# KiCad board panel.kicad_pcb (continued)
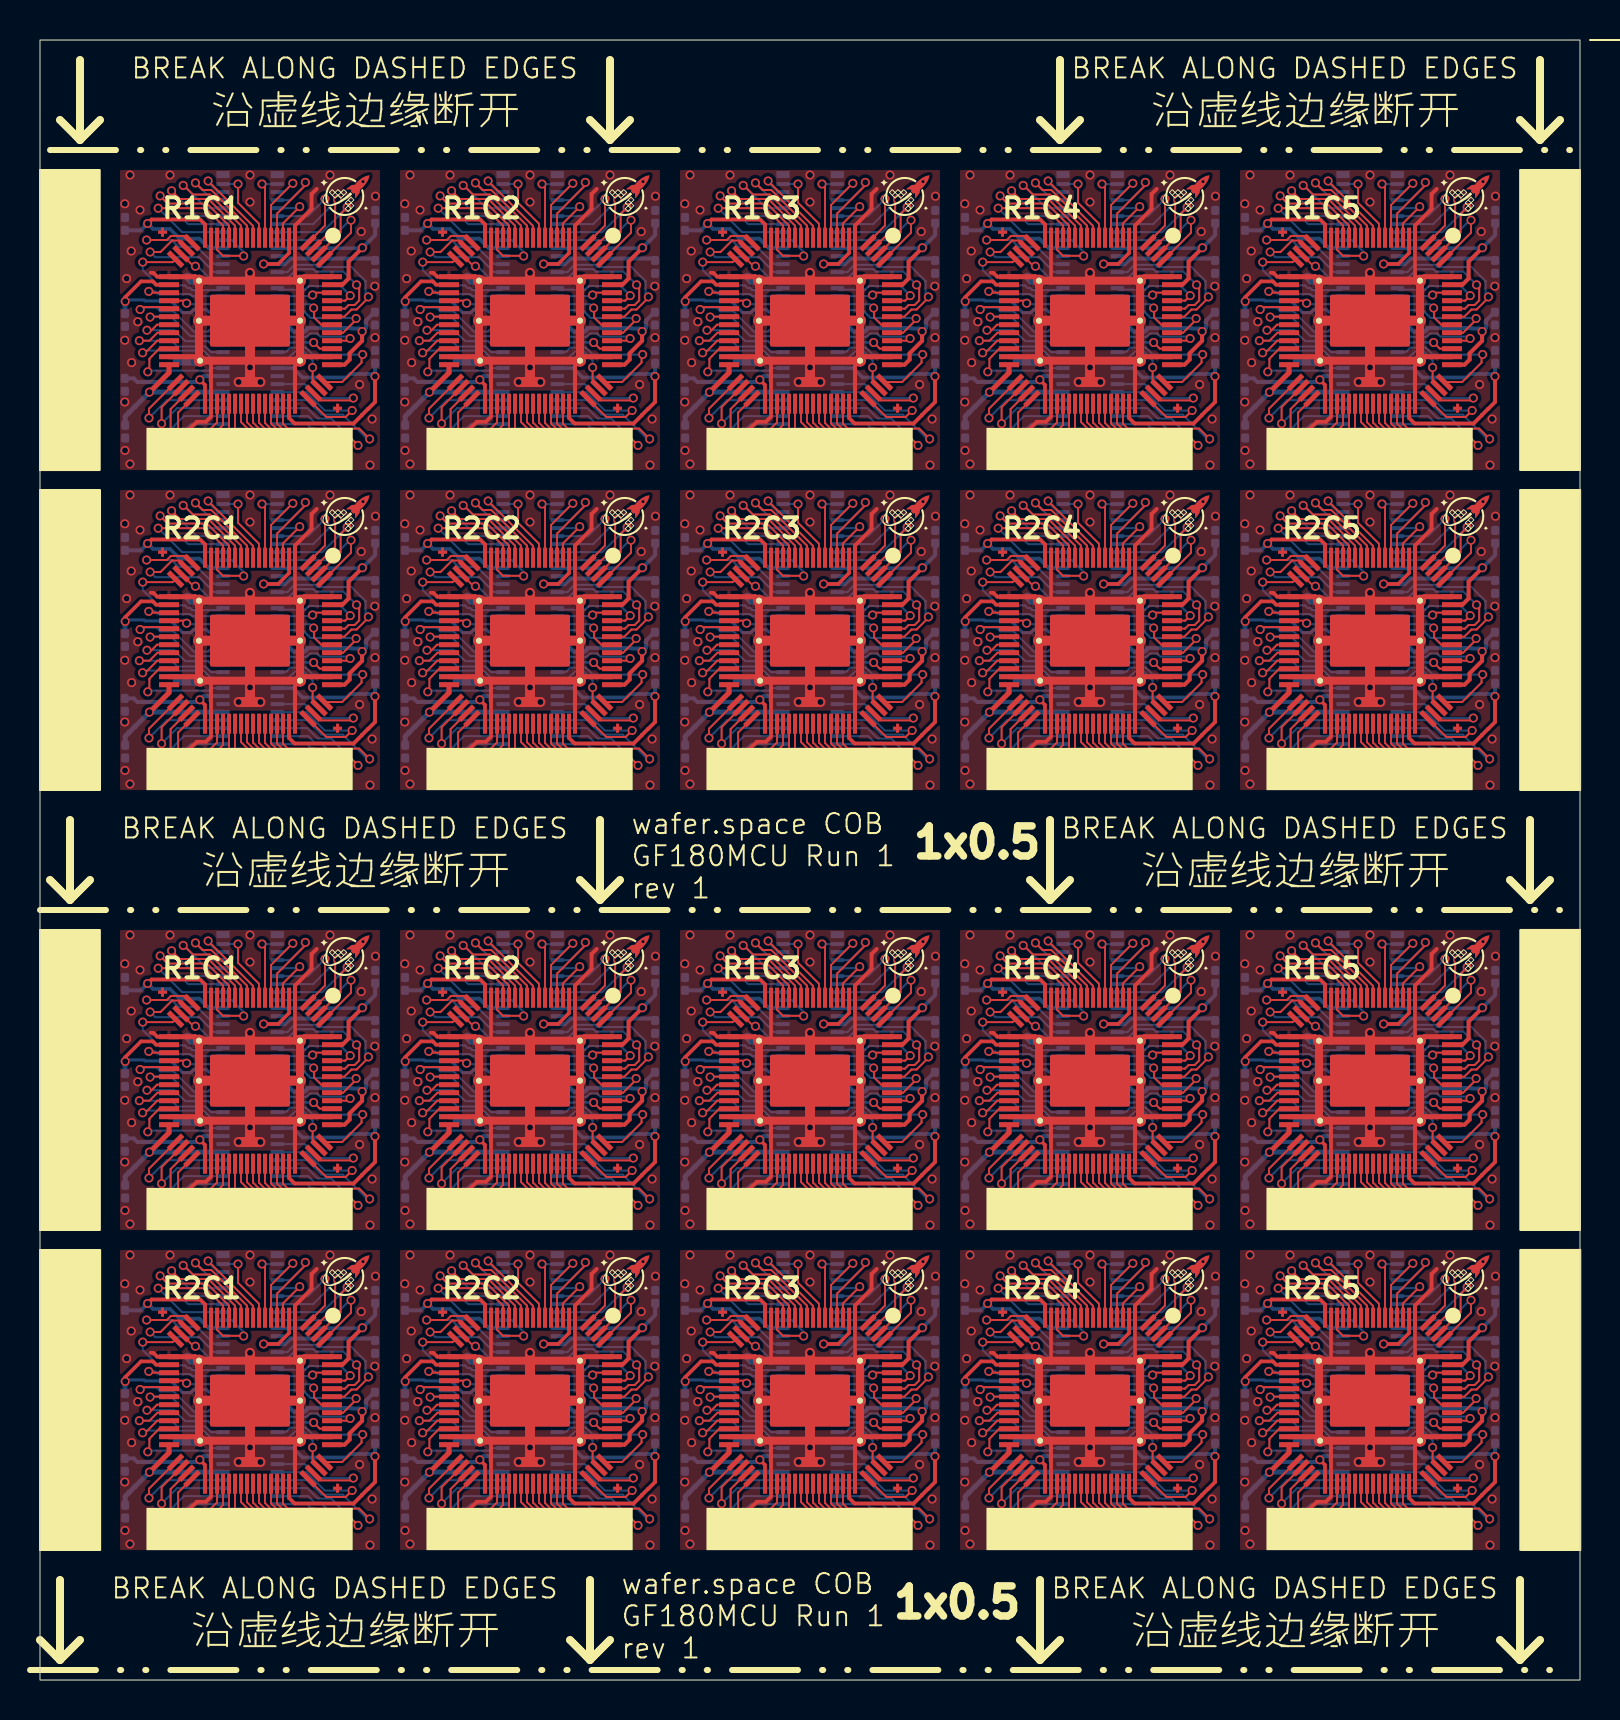
[diagram p0: board, top side]
## Routing (per net, layer and track width the routed paths; a pad name or vN(x,y) marks a point on that pad's centre or on a via; arc(x,y) is an arc through that point) (continued)
/bidir_32: length 78.5
  Top w0.1: v1(8.42,45.21) 9.45,46.24 U112.45 ; v1(64.42,45.21) 65.45,46.24 U120#2.45 ; v1(50.42,61.21) 51.45,62.24 51.45,63.81 ; U106#2.45 37.45,24.24 v1(36.42,23.21) ; v1(8.42,61.21) 9.45,62.24 9.45,63.81 ; v1(22.42,23.21) 23.45,24.24 U104#2.45 ; v1(64.42,7.21) 65.45,8.24 U120.45 ; U108.45 51.45,24.24 v1(50.42,23.21) ; v1(50.42,45.21) 51.45,46.24 U118.45 ; 65.45,63.81 65.45,62.24 v1(64.42,61.21) ; U114#2.45 23.45,8.24 v1(22.42,7.21) ; v1(36.42,7.21) 37.45,8.24 U116#2.45 ; v1(36.42,45.21) 37.45,46.24 U116.45 ; U114.45 23.45,46.24 v1(22.42,45.21) ; v1(64.42,23.21) 65.45,24.24 U110#2.45 ; 37.45,63.81 37.45,62.24 v1(36.42,61.21) ; v1(22.42,61.21) 23.45,62.24 23.45,63.81 ; v1(8.42,23.21) 9.45,24.24 U102.45 ; v1(8.42,7.21) 9.45,8.24 U112#2.45 ; v1(50.42,7.21) 51.45,8.24 U118#2.45
  Bottom w0.1: U101.37 8.8,23.59 v1(8.42,23.21) ; v1(50.42,23.21) 50.8,23.59 U107.37 ; U105#2.37 36.8,61.59 v1(36.42,61.21) ; U115#2.37 36.8,7.59 v1(36.42,7.21) ; v1(36.42,23.21) 36.8,23.59 U105.37 ; v1(22.42,7.21) 22.8,7.59 U113#2.37 ; v1(8.42,7.21) 8.8,7.59 U111#2.37 ; v1(8.42,61.21) 8.8,61.59 U101#2.37 ; U111.37 8.8,45.59 v1(8.42,45.21) ; v1(64.42,23.21) 64.8,23.59 U109#2.37 ; v1(50.42,7.21) 50.8,7.59 U117.37 ; v1(22.42,23.21) 22.8,23.59 U103#2.37 ; v1(64.42,45.21) 64.8,45.59 U119#2.37 ; U115.37 36.8,45.59 v1(36.42,45.21) ; v1(50.42,45.21) 50.8,45.59 U117#2.37 ; U113.37 22.8,45.59 v1(22.42,45.21) ; U103.37 22.8,61.59 v1(22.42,61.21) ; v1(50.42,61.21) 50.8,61.59 U107#2.37 ; U119.37 64.8,7.59 v1(64.42,7.21) ; v1(64.42,61.21) 64.8,61.59 U109.37
/bidir_33: length 65.7
  Top w0.1: v1(23.8,61.2) 23.75,61.25 23.75,63.81 ; v1(37.8,45.2) 37.75,45.25 U116.46 ; v1(65.8,61.2) 65.75,61.25 65.75,63.81 ; U112.46 9.75,45.25 v1(9.8,45.2) ; 51.75,63.81 51.75,61.25 v1(51.8,61.2) ; v1(9.8,23.2) 9.75,23.25 U102.46 ; U114.46 23.75,45.25 v1(23.8,45.2) ; v1(37.8,7.2) 37.75,7.25 U116#2.46 ; v1(23.8,7.2) 23.75,7.25 U114#2.46 ; U112#2.46 9.75,7.25 v1(9.8,7.2) ; 9.75,63.81 9.75,61.25 v1(9.8,61.2) ; v1(37.8,23.2) 37.75,23.25 U106#2.46 ; v1(65.8,7.2) 65.75,7.25 U120.46 ; U108.46 51.75,23.25 v1(51.8,23.2) ; U110#2.46 65.75,23.25 v1(65.8,23.2) ; v1(65.8,45.2) 65.75,45.25 U120#2.46 ; v1(23.8,23.2) 23.75,23.25 U104#2.46 ; v1(51.8,45.2) 51.75,45.25 U118.46 ; v1(51.8,7.2) 51.75,7.25 U118#2.46 ; v1(37.8,61.2) 37.75,61.25 37.75,63.81
  Bottom w0.1: v1(37.8,7.2) 37.79,7.2 U115#2.36 ; 37.15,61.2 37.79,61.2 v1(37.8,61.2) ; v1(23.8,7.2) 23.79,7.2 U113#2.36 ; v1(51.8,45.2) 51.79,45.2 U117#2.36 ; U119#2.36 65.79,45.2 v1(65.8,45.2) ; U115.36 37.79,45.2 v1(37.8,45.2) ; v1(65.8,61.2) 65.79,61.2 65.16,61.2 ; v1(9.8,23.2) 9.79,23.2 U101.36 ; 9.15,61.2 9.79,61.2 v1(9.8,61.2) ; U111.36 9.79,45.2 v1(9.8,45.2) ; U113.36 23.79,45.2 v1(23.8,45.2) ; v1(9.8,7.2) 9.79,7.2 U111#2.36 ; 23.15,61.2 23.79,61.2 v1(23.8,61.2) ; v1(65.8,23.2) 65.79,23.2 U109#2.36 ; U103#2.36 23.79,23.2 v1(23.8,23.2) ; 51.15,61.2 51.79,61.2 v1(51.8,61.2) ; U105.36 37.79,23.2 v1(37.8,23.2) ; U107.36 51.79,23.2 v1(51.8,23.2) ; v1(65.8,7.2) 65.79,7.2 U119.36 ; U117.36 51.79,7.2 v1(51.8,7.2)
/bidir_34: length 75.8
  Top w0.1: 24.05,63.81 24.05,62.9 25.15,61.8 v1(25.15,61.2) ; U112.47 10.05,46.9 11.15,45.8 v1(11.15,45.2) ; 66.05,63.81 66.05,62.9 67.15,61.8 v1(67.15,61.2) ; U120.47 66.05,8.9 67.15,7.8 v1(67.15,7.2) ; U120#2.47 66.05,46.9 67.15,45.8 v1(67.15,45.2) ; U116#2.47 38.05,8.9 39.15,7.8 v1(39.15,7.2) ; v1(39.15,61.2) 39.15,61.8 38.05,62.9 38.05,63.81 ; U114#2.47 24.05,8.9 25.15,7.8 v1(25.15,7.2) ; v1(25.15,23.2) 25.15,23.8 24.05,24.9 U104#2.47 ; U114.47 24.05,46.9 25.15,45.8 v1(25.15,45.2) ; v1(53.15,45.2) 53.15,45.8 52.05,46.9 U118.47 ; U116.47 38.05,46.9 39.15,45.8 v1(39.15,45.2) ; U110#2.47 66.05,24.9 67.15,23.8 v1(67.15,23.2) ; v1(53.15,7.2) 53.15,7.8 52.05,8.9 U118#2.47 ; v1(39.15,23.2) 39.15,23.8 38.05,24.9 U106#2.47 ; 52.05,63.81 52.05,62.9 53.15,61.8 v1(53.15,61.2) ; v1(53.15,23.2) 53.15,23.8 52.05,24.9 U108.47 ; U102.47 10.05,24.9 11.15,23.8 v1(11.15,23.2) ; 10.05,63.81 10.05,62.9 11.15,61.8 v1(11.15,61.2) ; U112#2.47 10.05,8.9 11.15,7.8 v1(11.15,7.2)
  Bottom w0.1: v1(25.15,23.2) 25.86,23.2 U103#2.35 ; U113#2.35 25.86,7.2 v1(25.15,7.2) ; U117#2.35 53.86,45.2 v1(53.15,45.2) ; v1(25.15,45.2) 25.86,45.2 U113.35 ; U119.35 67.86,7.2 v1(67.15,7.2) ; v1(39.15,45.2) 39.86,45.2 U115.35 ; v1(39.15,61.2) 39.86,61.2 39.87,61.2 ; U111#2.35 11.86,7.2 v1(11.15,7.2) ; v1(53.15,7.2) 53.86,7.2 U117.35 ; U107.35 53.86,23.2 v1(53.15,23.2) ; v1(11.15,45.2) 11.86,45.2 U111.35 ; v1(11.15,23.2) 11.86,23.2 U101.35 ; 11.87,61.2 11.86,61.2 v1(11.15,61.2) ; U109#2.35 67.86,23.2 v1(67.15,23.2) ; v1(25.15,61.2) 25.86,61.2 25.87,61.2 ; v1(39.15,23.2) 39.86,23.2 U105.35 ; 67.87,61.2 67.86,61.2 v1(67.15,61.2) ; U119#2.35 67.86,45.2 v1(67.15,45.2) ; U115#2.35 39.86,7.2 v1(39.15,7.2) ; 53.87,61.2 53.86,61.2 v1(53.15,61.2)
/bidir_35: length 100.8
  Top w0.1: U116#2.48 38.35,8.89 40.19,7.05 v1(40.6,7.05) ; 52.35,63.81 52.35,62.89 54.19,61.05 v1(54.6,61.05) ; U112.48 10.35,46.89 12.19,45.05 v1(12.6,45.05) ; v1(40.6,61.05) 40.19,61.05 38.35,62.89 38.35,63.81 ; U110#2.48 66.35,24.89 68.19,23.05 v1(68.6,23.05) ; v1(26.6,45.05) 26.19,45.05 24.35,46.89 U114.48 ; v1(40.6,45.05) 40.19,45.05 38.35,46.89 U116.48 ; U118#2.48 52.35,8.89 54.19,7.05 v1(54.6,7.05) ; U120.48 66.35,8.89 68.19,7.05 v1(68.6,7.05) ; v1(26.6,7.05) 26.19,7.05 24.35,8.89 U114#2.48 ; v1(54.6,23.05) 54.19,23.05 52.35,24.89 U108.48 ; v1(68.6,45.05) 68.19,45.05 66.35,46.89 U120#2.48 ; U118.48 52.35,46.89 54.19,45.05 v1(54.6,45.05) ; 66.35,63.81 66.35,62.89 68.19,61.05 v1(68.6,61.05) ; 24.35,63.81 24.35,62.89 26.19,61.05 v1(26.6,61.05) ; U106#2.48 38.35,24.89 40.19,23.05 v1(40.6,23.05) ; U102.48 10.35,24.89 12.19,23.05 v1(12.6,23.05) ; v1(12.6,7.05) 12.19,7.05 10.35,8.89 U112#2.48 ; U104#2.48 24.35,24.89 26.19,23.05 v1(26.6,23.05) ; v1(12.6,61.05) 12.19,61.05 10.35,62.89 10.35,63.81
  Bottom w0.1: v1(40.6,7.05) 40.6,7.29 40.29,7.59 U115#2.34 ; v1(26.6,7.05) 26.6,7.29 26.29,7.59 U113#2.34 ; v1(54.6,45.05) 54.6,45.29 54.29,45.59 U117#2.34 ; v1(68.6,45.05) 68.6,45.29 68.3,45.59 U119#2.34 ; v1(54.6,61.05) 54.6,61.29 54.29,61.59 U107#2.34 ; v1(12.6,23.05) 12.6,23.29 12.29,23.59 U101.34 ; v1(26.6,61.05) 26.6,61.29 26.29,61.59 U103.34 ; v1(68.6,23.05) 68.6,23.29 68.3,23.59 U109#2.34 ; U105#2.34 40.29,61.59 40.6,61.29 v1(40.6,61.05) ; v1(68.6,7.05) 68.6,7.29 68.3,7.59 U119.34 ; U117.34 54.29,7.59 54.6,7.29 v1(54.6,7.05) ; U111#2.34 12.29,7.59 12.6,7.29 v1(12.6,7.05) ; v1(26.6,23.05) 26.6,23.29 26.29,23.59 U103#2.34 ; v1(12.6,45.05) 12.6,45.29 12.29,45.59 U111.34 ; v1(40.6,45.05) 40.6,45.29 40.29,45.59 U115.34 ; v1(54.6,23.05) 54.6,23.29 54.29,23.59 U107.34 ; U109.34 68.3,61.59 68.6,61.29 v1(68.6,61.05) ; U113.34 26.29,45.59 26.6,45.29 v1(26.6,45.05) ; v1(12.6,61.05) 12.6,61.29 12.29,61.59 U101#2.34 ; v1(40.6,23.05) 40.6,23.29 40.29,23.59 U105.34
/bidir_36: length 130.1
  Top w0.1: U116#2.49 38.65,8.87 40,7.52 41.17,7.52 41.4,7.29 41.4,7.25 41.48,7.17 v1(41.48,7.16) ; v1(41.48,45.16) 41.48,45.17 41.4,45.25 41.4,45.29 41.17,45.52 40,45.52 38.65,46.87 U116.49 ; U114.49 24.65,46.87 26,45.52 27.17,45.52 27.4,45.29 27.4,45.25 27.48,45.17 v1(27.48,45.16) ; v1(13.48,45.16) 13.48,45.17 13.4,45.25 13.4,45.29 13.17,45.52 12,45.52 10.65,46.87 U112.49 ; 52.65,63.81 52.65,62.87 54,61.52 55.17,61.52 55.4,61.29 55.4,61.25 55.48,61.17 v1(55.48,61.16) ; v1(55.48,23.16) 55.48,23.17 55.4,23.25 55.4,23.29 55.17,23.52 54,23.52 52.65,24.87 U108.49 ; 10.65,63.81 10.65,62.87 12,61.52 13.17,61.52 13.4,61.29 13.4,61.25 13.48,61.17 v1(13.48,61.16) ; v1(27.48,7.16) 27.48,7.17 27.4,7.25 27.4,7.29 27.17,7.52 26,7.52 24.65,8.87 U114#2.49 ; U104#2.49 24.65,24.87 26,23.52 27.17,23.52 27.4,23.29 27.4,23.25 27.48,23.17 v1(27.48,23.16) ; U112#2.49 10.65,8.87 12,7.52 13.17,7.52 13.4,7.29 13.4,7.25 13.48,7.17 v1(13.48,7.16) ; v1(41.48,23.16) 41.48,23.17 41.4,23.25 41.4,23.29 41.17,23.52 40,23.52 38.65,24.87 U106#2.49 ; v1(13.48,23.16) 13.48,23.17 13.4,23.25 13.4,23.29 13.17,23.52 12,23.52 10.65,24.87 U102.49 ; U120#2.49 66.65,46.87 68,45.52 69.17,45.52 69.4,45.29 69.4,45.25 69.48,45.17 v1(69.48,45.16) ; v1(27.48,61.16) 27.48,61.17 27.4,61.25 27.4,61.29 27.17,61.52 26,61.52 24.65,62.87 24.65,63.81 ; v1(69.48,23.16) 69.48,23.17 69.4,23.25 69.4,23.29 69.17,23.52 68,23.52 66.65,24.87 U110#2.49 ; v1(69.48,61.16) 69.48,61.17 69.4,61.25 69.4,61.29 69.17,61.52 68,61.52 66.65,62.87 66.65,63.81 ; v1(55.48,7.16) 55.48,7.17 55.4,7.25 55.4,7.29 55.17,7.52 54,7.52 52.65,8.87 U118#2.49 ; 38.65,63.81 38.65,62.87 40,61.52 41.17,61.52 41.4,61.29 41.4,61.25 41.48,61.17 v1(41.48,61.16) ; v1(69.48,7.16) 69.48,7.17 69.4,7.25 69.4,7.29 69.17,7.52 68,7.52 66.65,8.87 U120.49 ; U118.49 52.65,46.87 54,45.52 55.17,45.52 55.4,45.29 55.4,45.25 55.48,45.17 v1(55.48,45.16)
  Bottom w0.1: U111.33 12.7,46 13.4,45.29 13.4,45.25 13.48,45.17 v1(13.48,45.16) ; U119.33 68.7,8 69.4,7.29 69.4,7.25 69.48,7.17 v1(69.48,7.16) ; v1(27.48,7.16) 27.48,7.17 27.4,7.25 27.4,7.29 26.7,8 U113#2.33 ; 67.87,62 68.7,62 69.4,61.29 69.4,61.25 69.48,61.17 v1(69.48,61.16) ; U107.33 54.7,24 55.4,23.29 55.4,23.25 55.48,23.17 v1(55.48,23.16) ; U109#2.33 68.7,24 69.4,23.29 69.4,23.25 69.48,23.17 v1(69.48,23.16) ; U105.33 40.7,24 41.4,23.29 41.4,23.25 41.48,23.17 v1(41.48,23.16) ; v1(27.48,23.16) 27.48,23.17 27.4,23.25 27.4,23.29 26.7,24 U103#2.33 ; v1(55.48,61.16) 55.48,61.17 55.4,61.25 55.4,61.29 54.7,62 53.87,62 ; v1(13.48,7.16) 13.48,7.17 13.4,7.25 13.4,7.29 12.7,8 U111#2.33 ; v1(41.48,61.16) 41.48,61.17 41.4,61.25 41.4,61.29 40.7,62 39.87,62 ; U113.33 26.7,46 27.4,45.29 27.4,45.25 27.48,45.17 v1(27.48,45.16) ; v1(55.48,7.16) 55.48,7.17 55.4,7.25 55.4,7.29 54.7,8 U117.33 ; U119#2.33 68.7,46 69.4,45.29 69.4,45.25 69.48,45.17 v1(69.48,45.16) ; U117#2.33 54.7,46 55.4,45.29 55.4,45.25 55.48,45.17 v1(55.48,45.16) ; v1(41.48,45.16) 41.48,45.17 41.4,45.25 41.4,45.29 40.7,46 U115.33 ; v1(13.48,61.16) 13.48,61.17 13.4,61.25 13.4,61.29 12.7,62 11.87,62 ; v1(13.48,23.16) 13.48,23.17 13.4,23.25 13.4,23.29 12.7,24 U101.33 ; v1(27.48,61.16) 27.48,61.17 27.4,61.25 27.4,61.29 26.7,62 25.87,62 ; v1(41.48,7.16) 41.48,7.17 41.4,7.25 41.4,7.29 40.7,8 U115#2.33
/bidir_37: length 146.2
  Top w0.1: U116#2.50 38.95,8.86 40.09,7.72 41.77,7.72 42.05,7.44 v1(42.05,7.4) ; U116.50 38.95,46.86 40.09,45.72 41.77,45.72 42.05,45.44 v1(42.05,45.4) ; v1(14.05,23.4) 14.05,23.44 13.77,23.72 12.09,23.72 10.95,24.86 U102.50 ; v1(28.05,23.4) 28.05,23.44 27.77,23.72 26.09,23.72 24.95,24.86 U104#2.50 ; v1(28.05,7.4) 28.05,7.44 27.77,7.72 26.09,7.72 24.95,8.86 U114#2.50 ; U110#2.50 66.95,24.86 68.09,23.72 69.77,23.72 70.05,23.44 v1(70.05,23.4) ; v1(56.05,61.4) 56.05,61.44 55.77,61.72 54.09,61.72 52.95,62.86 U108#2.50 ; U112.50 10.95,46.86 12.09,45.72 13.77,45.72 14.05,45.44 v1(14.05,45.4) ; v1(28.05,61.4) 28.05,61.44 27.77,61.72 26.09,61.72 24.95,62.86 U104.50 ; v1(14.05,7.4) 14.05,7.44 13.77,7.72 12.09,7.72 10.95,8.86 U112#2.50 ; v1(42.05,23.4) 42.05,23.44 41.77,23.72 40.09,23.72 38.95,24.86 U106#2.50 ; v1(56.05,7.4) 56.05,7.44 55.77,7.72 54.09,7.72 52.95,8.86 U118#2.50 ; v1(56.05,23.4) 56.05,23.44 55.77,23.72 54.09,23.72 52.95,24.86 U108.50 ; v1(42.05,61.4) 42.05,61.44 41.77,61.72 40.09,61.72 38.95,62.86 U106.50 ; v1(56.05,45.4) 56.05,45.44 55.77,45.72 54.09,45.72 52.95,46.86 U118.50 ; v1(28.05,45.4) 28.05,45.44 27.77,45.72 26.09,45.72 24.95,46.86 U114.50 ; v1(70.05,7.4) 70.05,7.44 69.77,7.72 68.09,7.72 66.95,8.86 U120.50 ; U120#2.50 66.95,46.86 68.09,45.72 69.77,45.72 70.05,45.44 v1(70.05,45.4) ; U102#2.50 10.95,62.86 12.09,61.72 13.77,61.72 14.05,61.44 v1(14.05,61.4) ; v1(70.05,61.4) 70.05,61.44 69.77,61.72 68.09,61.72 66.95,62.86 U110.50
  Bottom w0.1: v1(70.05,45.4) 70.05,45.44 69.09,46.39 67.87,46.39 ; v1(56.05,7.4) 56.05,7.44 55.1,8.39 53.87,8.39 ; v1(14.05,45.4) 14.05,45.44 13.1,46.39 11.87,46.39 ; 39.87,46.39 41.1,46.39 42.05,45.44 v1(42.05,45.4) ; 67.87,24.39 69.09,24.39 70.05,23.44 v1(70.05,23.4) ; 67.87,8.39 69.09,8.39 70.05,7.44 v1(70.05,7.4) ; v1(28.05,45.4) 28.05,45.44 27.1,46.39 25.87,46.39 ; v1(14.05,61.4) 14.05,61.44 13.1,62.4 U101#2.32 ; 53.87,24.39 55.1,24.39 56.05,23.44 v1(56.05,23.4) ; 11.87,24.39 13.1,24.39 14.05,23.44 v1(14.05,23.4) ; 11.87,8.39 13.1,8.39 14.05,7.44 v1(14.05,7.4) ; U109.32 69.09,62.4 70.05,61.44 v1(70.05,61.4) ; 25.87,8.39 27.1,8.39 28.05,7.44 v1(28.05,7.4) ; 39.87,24.39 41.1,24.39 42.05,23.44 v1(42.05,23.4) ; v1(42.05,7.4) 42.05,7.44 41.1,8.39 39.87,8.39 ; U103.32 27.1,62.4 28.05,61.44 v1(28.05,61.4) ; U105#2.32 41.1,62.4 42.05,61.44 v1(42.05,61.4) ; v1(56.05,45.4) 56.05,45.44 55.1,46.39 53.87,46.39 ; v1(28.05,23.4) 28.05,23.44 27.1,24.39 25.87,24.39 ; v1(56.05,61.4) 56.05,61.44 55.1,62.4 U107#2.32
/bidir_38: length 172.2
  Top w0.1: U106#2.51 39.25,24.85 40.15,23.95 42.33,23.95 42.61,23.68 42.61,23.48 v1(42.68,23.41) ; 11.25,63.81 11.25,62.85 12.15,61.95 14.33,61.95 14.61,61.68 14.61,61.48 v1(14.68,61.41) ; v1(28.68,61.41) 28.61,61.48 28.61,61.68 28.33,61.95 26.15,61.95 25.25,62.85 25.25,63.81 ; U114#2.51 25.25,8.85 26.15,7.95 28.33,7.95 28.61,7.68 28.61,7.48 v1(28.68,7.41) ; v1(14.68,23.41) 14.61,23.48 14.61,23.68 14.33,23.95 12.15,23.95 11.25,24.85 U102.51 ; U120#2.51 67.25,46.85 68.15,45.95 70.33,45.95 70.61,45.68 70.61,45.48 v1(70.68,45.41) ; v1(70.68,61.41) 70.61,61.48 70.61,61.68 70.33,61.95 68.15,61.95 67.25,62.85 67.25,63.81 ; U118.51 53.25,46.85 54.15,45.95 56.33,45.95 56.61,45.68 56.61,45.48 v1(56.68,45.41) ; U116#2.51 39.25,8.85 40.15,7.95 42.33,7.95 42.61,7.68 42.61,7.48 v1(42.68,7.41) ; U104#2.51 25.25,24.85 26.15,23.95 28.33,23.95 28.61,23.68 28.61,23.48 v1(28.68,23.41) ; 53.25,63.81 53.25,62.85 54.15,61.95 56.33,61.95 56.61,61.68 56.61,61.48 v1(56.68,61.41) ; v1(28.68,45.41) 28.61,45.48 28.61,45.68 28.33,45.95 26.15,45.95 25.25,46.85 U114.51 ; v1(42.68,61.41) 42.61,61.48 42.61,61.68 42.33,61.95 40.15,61.95 39.25,62.85 39.25,63.81 ; v1(14.68,7.41) 14.61,7.48 14.61,7.68 14.33,7.95 12.15,7.95 11.25,8.85 U112#2.51 ; U112.51 11.25,46.85 12.15,45.95 14.33,45.95 14.61,45.68 14.61,45.48 v1(14.68,45.41) ; v1(56.68,23.41) 56.61,23.48 56.61,23.68 56.33,23.95 54.15,23.95 53.25,24.85 U108.51 ; U118#2.51 53.25,8.85 54.15,7.95 56.33,7.95 56.61,7.68 56.61,7.48 v1(56.68,7.41) ; v1(70.68,23.41) 70.61,23.48 70.61,23.68 70.33,23.95 68.15,23.95 67.25,24.85 U110#2.51 ; U120.51 67.25,8.85 68.15,7.95 70.33,7.95 70.61,7.68 70.61,7.48 v1(70.68,7.41) ; v1(42.68,45.41) 42.61,45.48 42.61,45.68 42.33,45.95 40.15,45.95 39.25,46.85 U116.51
  Bottom w0.1: U107.31 55.35,24.8 55.56,24.59 55.7,24.59 56.61,23.68 56.61,23.48 v1(56.68,23.41) ; v1(42.68,23.41) 42.61,23.48 42.61,23.68 41.7,24.59 41.56,24.59 41.35,24.8 U105.31 ; v1(28.68,7.41) 28.61,7.48 28.61,7.68 27.7,8.59 27.56,8.59 27.35,8.8 U113#2.31 ; v1(14.68,7.41) 14.61,7.48 14.61,7.68 13.7,8.59 13.56,8.59 13.35,8.8 U111#2.31 ; U115.31 41.35,46.8 41.56,46.59 41.7,46.59 42.61,45.68 42.61,45.48 v1(42.68,45.41) ; U119#2.31 69.36,46.8 69.56,46.59 69.7,46.59 70.61,45.68 70.61,45.48 v1(70.68,45.41) ; v1(56.68,7.41) 56.61,7.48 56.61,7.68 55.7,8.59 55.56,8.59 55.35,8.8 U117.31 ; U105#2.31 41.35,62.8 41.56,62.59 41.7,62.59 42.61,61.68 42.61,61.48 v1(42.68,61.41) ; v1(28.68,45.41) 28.61,45.48 28.61,45.68 27.7,46.59 27.56,46.59 27.35,46.8 U113.31 ; v1(14.68,61.41) 14.61,61.48 14.61,61.68 13.7,62.59 13.56,62.59 13.35,62.8 U101#2.31 ; v1(56.68,45.41) 56.61,45.48 56.61,45.68 55.7,46.59 55.56,46.59 55.35,46.8 U117#2.31 ; v1(42.68,7.41) 42.61,7.48 42.61,7.68 41.7,8.59 41.56,8.59 41.35,8.8 U115#2.31 ; U111.31 13.35,46.8 13.56,46.59 13.7,46.59 14.61,45.68 14.61,45.48 v1(14.68,45.41) ; U109.31 69.36,62.8 69.56,62.59 69.7,62.59 70.61,61.68 70.61,61.48 v1(70.68,61.41) ; v1(28.68,23.41) 28.61,23.48 28.61,23.68 27.7,24.59 27.56,24.59 27.35,24.8 U103#2.31 ; U103.31 27.35,62.8 27.56,62.59 27.7,62.59 28.61,61.68 28.61,61.48 v1(28.68,61.41) ; v1(14.68,23.41) 14.61,23.48 14.61,23.68 13.7,24.59 13.56,24.59 13.35,24.8 U101.31 ; v1(70.68,7.41) 70.61,7.48 70.61,7.68 69.7,8.59 69.56,8.59 69.36,8.8 U119.31 ; v1(56.68,61.41) 56.61,61.48 56.61,61.68 55.7,62.59 55.56,62.59 55.35,62.8 U107#2.31 ; U109#2.31 69.36,24.8 69.56,24.59 69.7,24.59 70.61,23.68 70.61,23.48 v1(70.68,23.41)
/bidir_39: length 184.5
  Top w0.1: U102.52 11.55,24.84 12.22,24.16 14.74,24.16 v1(15.26,23.64) ; 67.55,63.81 67.55,62.84 68.22,62.16 70.74,62.16 v1(71.26,61.64) ; U114.52 25.55,46.84 26.22,46.16 28.74,46.16 v1(29.26,45.64) ; U120#2.52 67.55,46.84 68.22,46.16 70.74,46.16 v1(71.26,45.64) ; v1(71.26,7.64) 70.74,8.16 68.22,8.16 67.55,8.84 U120.52 ; 11.55,63.81 11.55,62.84 12.22,62.16 14.74,62.16 v1(15.26,61.64) ; U110#2.52 67.55,24.84 68.22,24.16 70.74,24.16 v1(71.26,23.64) ; U118#2.52 53.55,8.84 54.22,8.16 56.74,8.16 v1(57.26,7.64) ; v1(57.26,61.64) 56.74,62.16 54.22,62.16 53.55,62.84 53.55,63.81 ; v1(15.26,45.64) 14.74,46.16 12.22,46.16 11.55,46.84 U112.52 ; v1(15.26,7.64) 14.74,8.16 12.22,8.16 11.55,8.84 U112#2.52 ; U116#2.52 39.55,8.84 40.22,8.16 42.74,8.16 v1(43.26,7.64) ; v1(57.26,45.64) 56.74,46.16 54.22,46.16 53.55,46.84 U118.52 ; v1(29.26,7.64) 28.74,8.16 26.22,8.16 25.55,8.84 U114#2.52 ; U106#2.52 39.55,24.84 40.22,24.16 42.74,24.16 v1(43.26,23.64) ; U104#2.52 25.55,24.84 26.22,24.16 28.74,24.16 v1(29.26,23.64) ; 25.55,63.81 25.55,62.84 26.22,62.16 28.74,62.16 v1(29.26,61.64) ; v1(43.26,61.64) 42.74,62.16 40.22,62.16 39.55,62.84 39.55,63.81 ; v1(57.26,23.64) 56.74,24.16 54.22,24.16 53.55,24.84 U108.52 ; v1(43.26,45.64) 42.74,46.16 40.22,46.16 39.55,46.84 U116.52
  Bottom w0.1: v1(57.26,23.64) 56.03,24.87 55.73,24.87 55.4,25.2 U107.30 ; v1(71.26,23.64) 70.03,24.87 69.73,24.87 69.41,25.2 U109#2.30 ; v1(29.26,23.64) 28.03,24.87 27.73,24.87 27.4,25.2 U103#2.30 ; U101#2.30 13.4,63.2 13.73,62.87 14.03,62.87 v1(15.26,61.64) ; U119#2.30 69.41,47.2 69.73,46.87 70.03,46.87 v1(71.26,45.64) ; U101.30 13.4,25.2 13.73,24.87 14.03,24.87 v1(15.26,23.64) ; v1(43.26,7.64) 42.03,8.87 41.73,8.87 41.4,9.2 U115#2.30 ; v1(15.26,7.64) 14.03,8.87 13.73,8.87 13.4,9.2 U111#2.30 ; U113#2.30 27.4,9.2 27.73,8.87 28.03,8.87 v1(29.26,7.64) ; U117.30 55.4,9.2 55.73,8.87 56.03,8.87 v1(57.26,7.64) ; U119.30 69.41,9.2 69.73,8.87 70.03,8.87 v1(71.26,7.64) ; U107#2.30 55.4,63.2 55.73,62.87 56.03,62.87 v1(57.26,61.64) ; v1(29.26,61.64) 28.03,62.87 27.73,62.87 27.4,63.2 U103.30 ; U113.30 27.4,47.2 27.73,46.87 28.03,46.87 v1(29.26,45.64) ; v1(71.26,61.64) 70.03,62.87 69.73,62.87 69.41,63.2 U109.30 ; v1(43.26,45.64) 42.03,46.87 41.73,46.87 41.4,47.2 U115.30 ; v1(57.26,45.64) 56.03,46.87 55.73,46.87 55.4,47.2 U117#2.30 ; v1(43.26,61.64) 42.03,62.87 41.73,62.87 41.4,63.2 U105#2.30 ; U111.30 13.4,47.2 13.73,46.87 14.03,46.87 v1(15.26,45.64) ; v1(43.26,23.64) 42.03,24.87 41.73,24.87 41.4,25.2 U105.30
/bidir_40: length 206
  Top w0.1: v1(57.9,61.73) 57.26,62.37 54.31,62.37 53.85,62.82 53.85,63.81 ; v1(29.9,23.73) 29.26,24.37 26.31,24.37 25.85,24.82 U104#2.53 ; v1(57.9,45.73) 57.26,46.37 54.31,46.37 53.85,46.82 U118.53 ; v1(29.9,61.73) 29.26,62.37 26.31,62.37 25.85,62.82 25.85,63.81 ; v1(15.9,7.73) 15.26,8.37 12.31,8.37 11.85,8.82 U112#2.53 ; U116#2.53 39.85,8.82 40.31,8.37 43.26,8.37 v1(43.9,7.73) ; U114#2.53 25.85,8.82 26.31,8.37 29.26,8.37 v1(29.9,7.73) ; 67.85,63.81 67.85,62.82 68.31,62.37 71.26,62.37 v1(71.9,61.73) ; v1(15.9,61.73) 15.26,62.37 12.31,62.37 11.85,62.82 11.85,63.81 ; U114.53 25.85,46.82 26.31,46.37 29.26,46.37 v1(29.9,45.73) ; U118#2.53 53.85,8.82 54.31,8.37 57.26,8.37 v1(57.9,7.73) ; v1(43.9,45.73) 43.26,46.37 40.31,46.37 39.85,46.82 U116.53 ; U110#2.53 67.85,24.82 68.31,24.37 71.26,24.37 v1(71.9,23.73) ; U102.53 11.85,24.82 12.31,24.37 15.26,24.37 v1(15.9,23.73) ; U120.53 67.85,8.82 68.31,8.37 71.26,8.37 v1(71.9,7.73) ; v1(43.9,61.73) 43.26,62.37 40.31,62.37 39.85,62.82 39.85,63.81 ; U112.53 11.85,46.82 12.31,46.37 15.26,46.37 v1(15.9,45.73) ; v1(71.9,45.73) 71.26,46.37 68.31,46.37 67.85,46.82 U120#2.53 ; v1(57.9,23.73) 57.26,24.37 54.31,24.37 53.85,24.82 U108.53 ; U106#2.53 39.85,24.82 40.31,24.37 43.26,24.37 v1(43.9,23.73)
  Bottom w0.1: U103.29 27.37,63.59 27.89,63.07 28.56,63.07 v1(29.9,61.73) ; v1(71.9,45.73) 70.56,47.07 69.89,47.07 69.37,47.59 U119#2.29 ; v1(15.9,7.73) 14.56,9.07 13.89,9.07 13.37,9.59 U111#2.29 ; U115#2.29 41.37,9.59 41.89,9.07 42.56,9.07 v1(43.9,7.73) ; v1(15.9,61.73) 14.56,63.07 13.89,63.07 13.37,63.59 U101#2.29 ; U105#2.29 41.37,63.59 41.89,63.07 42.56,63.07 v1(43.9,61.73) ; v1(43.9,45.73) 42.56,47.07 41.89,47.07 41.37,47.59 U115.29 ; U117#2.29 55.37,47.59 55.89,47.07 56.56,47.07 v1(57.9,45.73) ; v1(29.9,23.73) 28.56,25.07 27.89,25.07 27.37,25.59 U103#2.29 ; U107#2.29 55.37,63.59 55.89,63.07 56.56,63.07 v1(57.9,61.73) ; U107.29 55.37,25.59 55.89,25.07 56.56,25.07 v1(57.9,23.73) ; U113#2.29 27.37,9.59 27.89,9.07 28.56,9.07 v1(29.9,7.73) ; v1(71.9,23.73) 70.56,25.07 69.89,25.07 69.37,25.59 U109#2.29 ; v1(71.9,61.73) 70.56,63.07 69.89,63.07 69.37,63.59 U109.29 ; U119.29 69.37,9.59 69.89,9.07 70.56,9.07 v1(71.9,7.73) ; U105.29 41.37,25.59 41.89,25.07 42.56,25.07 v1(43.9,23.73) ; U101.29 13.37,25.59 13.89,25.07 14.56,25.07 v1(15.9,23.73) ; U111.29 13.37,47.59 13.89,47.07 14.56,47.07 v1(15.9,45.73) ; v1(29.9,45.73) 28.56,47.07 27.89,47.07 27.37,47.59 U113.29 ; U117.29 55.37,9.59 55.89,9.07 56.56,9.07 v1(57.9,7.73)
/bidir_41: length 221.4
  Top w0.1: v1(30.48,8.05) 29.96,8.57 26.39,8.57 26.15,8.81 U114#2.54 ; 54.15,63.81 54.15,62.81 54.39,62.57 57.96,62.57 v1(58.48,62.05) ; v1(16.48,62.05) 15.96,62.57 12.39,62.57 12.15,62.81 12.15,63.81 ; v1(30.48,62.05) 29.96,62.57 26.39,62.57 26.15,62.81 26.15,63.81 ; U110#2.54 68.15,24.81 68.39,24.57 71.96,24.57 v1(72.48,24.05) ; v1(16.48,8.05) 15.96,8.57 12.39,8.57 12.15,8.81 U112#2.54 ; v1(30.48,46.05) 29.96,46.57 26.39,46.57 26.15,46.81 U114.54 ; U104#2.54 26.15,24.81 26.39,24.57 29.96,24.57 v1(30.48,24.05) ; v1(72.48,62.05) 71.96,62.57 68.39,62.57 68.15,62.81 68.15,63.81 ; v1(44.48,62.05) 43.96,62.57 40.39,62.57 40.15,62.81 40.15,63.81 ; v1(58.48,24.05) 57.96,24.57 54.39,24.57 54.15,24.81 U108.54 ; U116#2.54 40.15,8.81 40.39,8.57 43.96,8.57 v1(44.48,8.05) ; v1(72.48,46.05) 71.96,46.57 68.39,46.57 68.15,46.81 U120#2.54 ; v1(16.48,46.05) 15.96,46.57 12.39,46.57 12.15,46.81 U112.54 ; U102.54 12.15,24.81 12.39,24.57 15.96,24.57 v1(16.48,24.05) ; v1(58.48,8.05) 57.96,8.57 54.39,8.57 54.15,8.81 U118#2.54 ; U118.54 54.15,46.81 54.39,46.57 57.96,46.57 v1(58.48,46.05) ; U116.54 40.15,46.81 40.39,46.57 43.96,46.57 v1(44.48,46.05) ; U120.54 68.15,8.81 68.39,8.57 71.96,8.57 v1(72.48,8.05) ; v1(44.48,24.05) 43.96,24.57 40.39,24.57 40.15,24.81 U106#2.54
  Bottom w0.1: v1(58.48,24.05) 58.36,24.05 57.14,25.27 56.07,25.27 55.35,26 U107.28 ; v1(72.48,62.05) 72.36,62.05 71.14,63.27 70.07,63.27 69.35,63.99 U109.28 ; U111#2.28 13.35,10 14.07,9.27 15.14,9.27 16.36,8.05 v1(16.48,8.05) ; v1(58.48,8.05) 58.36,8.05 57.14,9.27 56.07,9.27 55.35,10 U117.28 ; v1(72.48,46.05) 72.36,46.05 71.14,47.27 70.07,47.27 69.35,48 U119#2.28 ; v1(30.48,46.05) 30.36,46.05 29.14,47.27 28.07,47.27 27.35,48 U113.28 ; v1(72.48,8.05) 72.36,8.05 71.14,9.27 70.07,9.27 69.35,10 U119.28 ; v1(30.48,62.05) 30.36,62.05 29.14,63.27 28.07,63.27 27.35,63.99 U103.28 ; U117#2.28 55.35,48 56.07,47.27 57.14,47.27 58.36,46.05 v1(58.48,46.05) ; v1(30.48,8.05) 30.36,8.05 29.14,9.27 28.07,9.27 27.35,10 U113#2.28 ; v1(16.48,24.05) 16.36,24.05 15.14,25.27 14.07,25.27 13.35,26 U101.28 ; v1(30.48,24.05) 30.36,24.05 29.14,25.27 28.07,25.27 27.35,26 U103#2.28 ; U115.28 41.35,48 42.07,47.27 43.14,47.27 44.36,46.05 v1(44.48,46.05) ; U101#2.28 13.35,63.99 14.07,63.27 15.14,63.27 16.36,62.05 v1(16.48,62.05) ; v1(44.48,8.05) 44.36,8.05 43.14,9.27 42.07,9.27 41.35,10 U115#2.28 ; v1(44.48,24.05) 44.36,24.05 43.14,25.27 42.07,25.27 41.35,26 U105.28 ; v1(44.48,62.05) 44.36,62.05 43.14,63.27 42.07,63.27 41.35,63.99 U105#2.28 ; U111.28 13.35,48 14.07,47.27 15.14,47.27 16.36,46.05 v1(16.48,46.05) ; U109#2.28 69.35,26 70.07,25.27 71.14,25.27 72.36,24.05 v1(72.48,24.05) ; U107#2.28 55.35,63.99 56.07,63.27 57.14,63.27 58.36,62.05 v1(58.48,62.05)
/bidir_42: length 136.8
  Top w0.1: U112#2.57 14.32,9.15 15.28,9.15 v1(15.6,9.47) ; v1(43.6,63.48) 43.28,63.15 42.32,63.15 U106.57 ; v1(71.61,9.47) 71.28,9.15 70.31,9.15 U120.57 ; v1(29.6,63.48) 29.28,63.15 28.32,63.15 U104.57 ; v1(15.6,63.48) 15.28,63.15 14.32,63.15 U102#2.57 ; U108#2.57 56.32,63.15 57.28,63.15 v1(57.6,63.48) ; v1(43.6,47.47) 43.28,47.15 42.32,47.15 U116.57 ; v1(57.6,47.47) 57.28,47.15 56.32,47.15 U118.57 ; U116#2.57 42.32,9.15 43.28,9.15 v1(43.6,9.47) ; v1(43.6,25.47) 43.28,25.15 42.32,25.15 U106#2.57 ; U110.57 70.31,63.15 71.28,63.15 v1(71.61,63.48) ; v1(29.6,47.47) 29.28,47.15 28.32,47.15 U114.57 ; U114#2.57 28.32,9.15 29.28,9.15 v1(29.6,9.47) ; U104#2.57 28.32,25.15 29.28,25.15 v1(29.6,25.47) ; v1(71.61,47.47) 71.28,47.15 70.31,47.15 U120#2.57 ; U108.57 56.32,25.15 57.28,25.15 v1(57.6,25.47) ; U110#2.57 70.31,25.15 71.28,25.15 v1(71.61,25.47) ; v1(57.6,9.47) 57.28,9.15 56.32,9.15 U118#2.57 ; U112.57 14.32,47.15 15.28,47.15 v1(15.6,47.47) ; U102.57 14.32,25.15 15.28,25.15 v1(15.6,25.47)
  Bottom w0.1: v1(15.6,63.48) 14.24,63.48 13.32,64.4 U101#2.27 ; U107#2.27 55.32,64.4 56.24,63.48 v1(57.6,63.48) ; v1(57.6,9.47) 56.24,9.47 55.32,10.39 53.87,10.39 ; 53.87,48.39 55.32,48.39 56.24,47.47 v1(57.6,47.47) ; 67.87,26.39 69.31,26.39 70.24,25.47 v1(71.61,25.47) ; 25.87,48.39 27.32,48.39 28.24,47.47 v1(29.6,47.47) ; 53.87,26.39 55.32,26.39 56.24,25.47 v1(57.6,25.47) ; v1(29.6,25.47) 28.24,25.47 27.32,26.39 25.87,26.39 ; 39.87,26.39 41.32,26.39 42.24,25.47 v1(43.6,25.47) ; U109.27 69.31,64.4 70.24,63.48 v1(71.61,63.48) ; 11.87,10.39 13.32,10.39 14.24,9.47 v1(15.6,9.47) ; U105#2.27 41.32,64.4 42.24,63.48 v1(43.6,63.48) ; 39.87,10.39 41.32,10.39 42.24,9.47 v1(43.6,9.47) ; 25.87,10.39 27.32,10.39 28.24,9.47 v1(29.6,9.47) ; 11.87,26.39 13.32,26.39 14.24,25.47 v1(15.6,25.47) ; v1(71.61,9.47) 70.24,9.47 69.31,10.39 67.87,10.39 ; U103.27 27.32,64.4 28.24,63.48 v1(29.6,63.48) ; v1(15.6,47.47) 14.24,47.47 13.32,48.39 11.87,48.39 ; v1(43.6,47.47) 42.24,47.47 41.32,48.39 39.87,48.39 ; v1(71.61,47.47) 70.24,47.47 69.31,48.39 67.87,48.39